# Altium PCB 4_layers_Testboard.PcbDoc (part 1 of 3)
Units mil, origin at the board's own origin, x right, y up, seen from the top; angles counter-clockwise.
Board outline 5500 x 5000 mil, 4 copper layers (Top layer, Inner Layer 1, Inner Layer 2, Bottom Layer), stack 13.956 mil thick; 137 components, 95 nets, 1379 pads, 755 vias.
Unrouted connection lines stored in the file: 363.
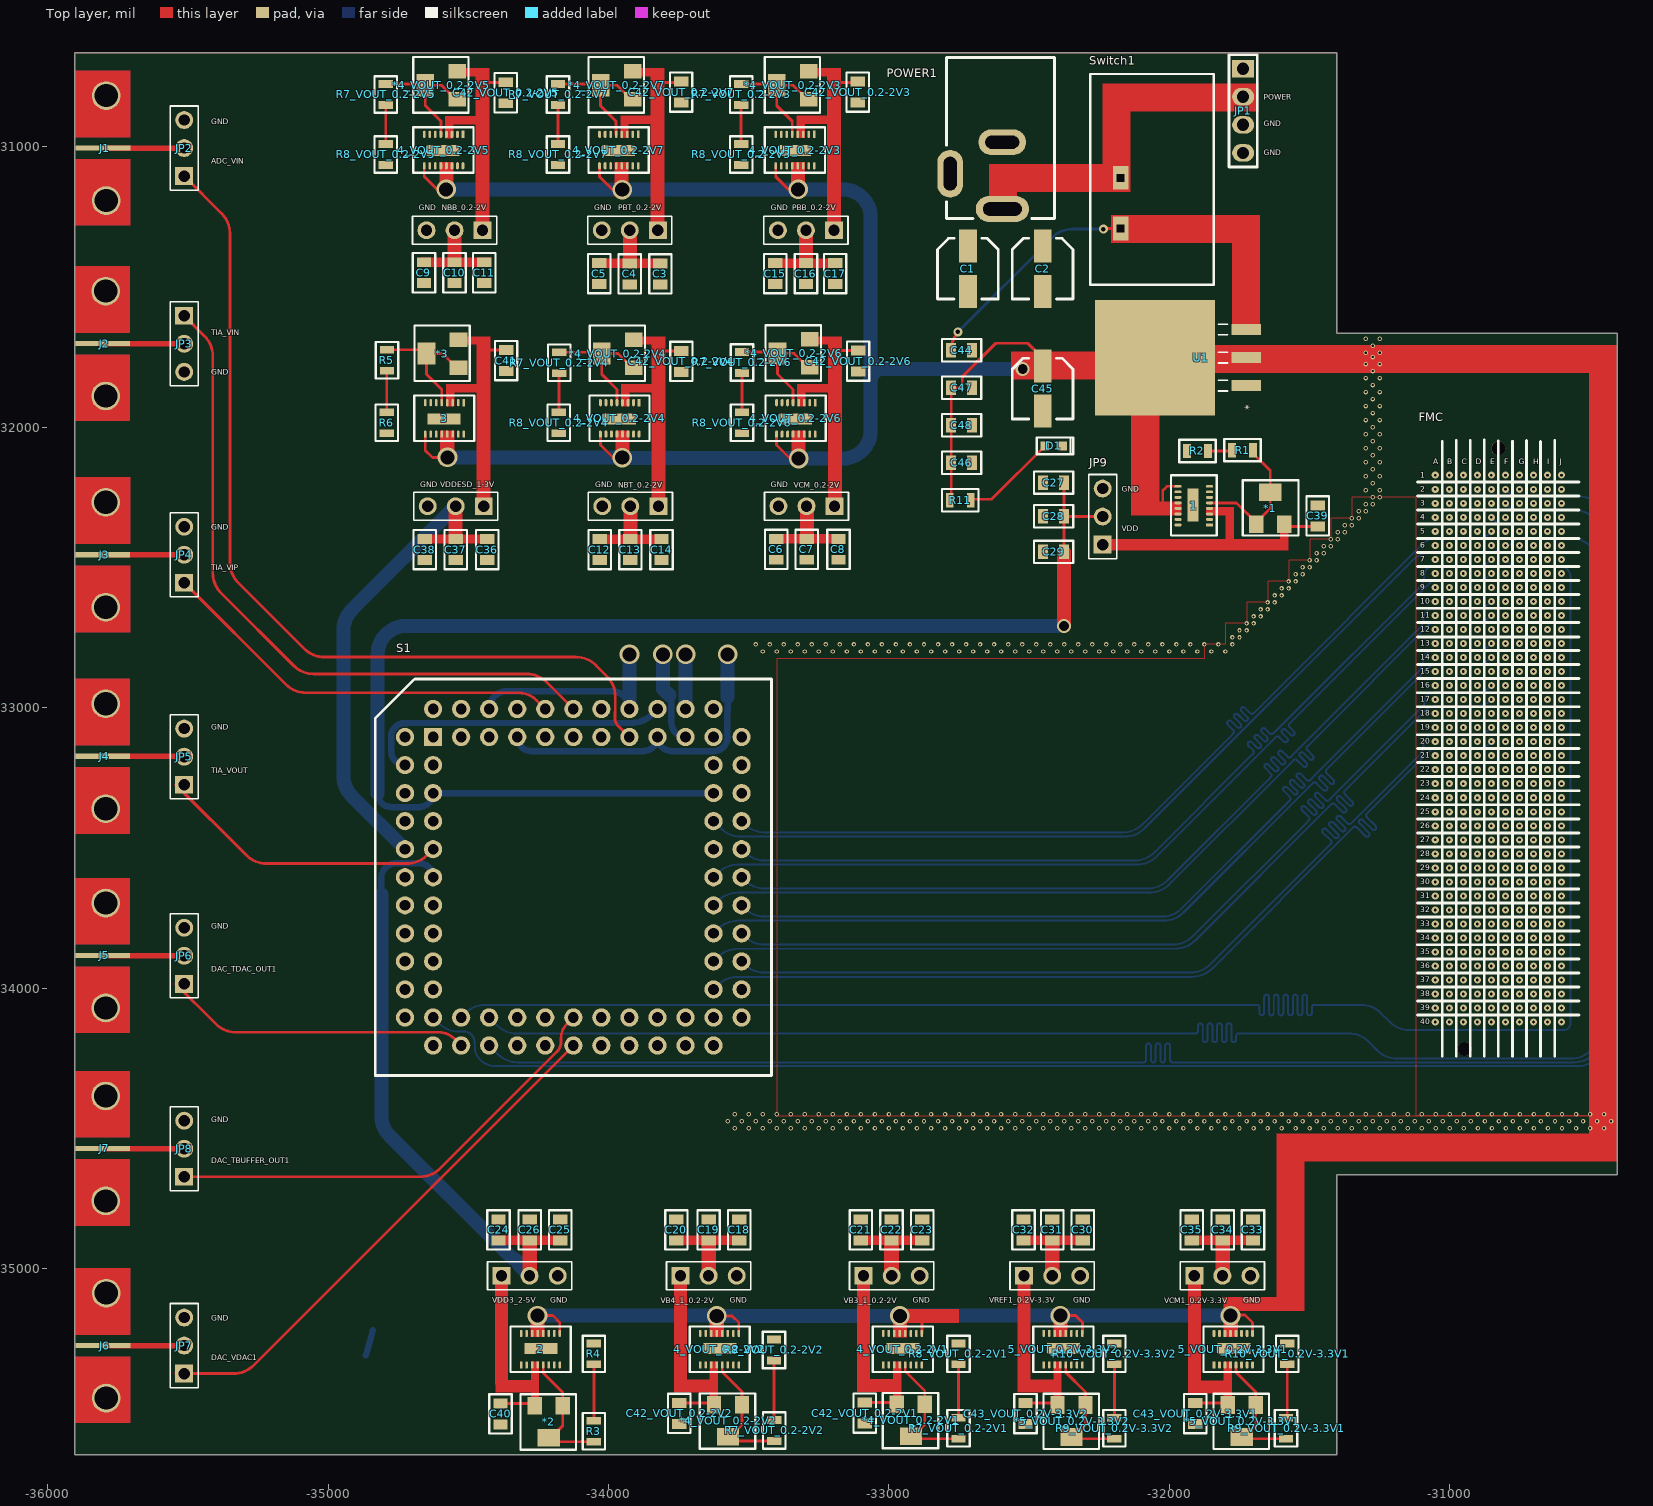
[diagram p0: Top layer view]
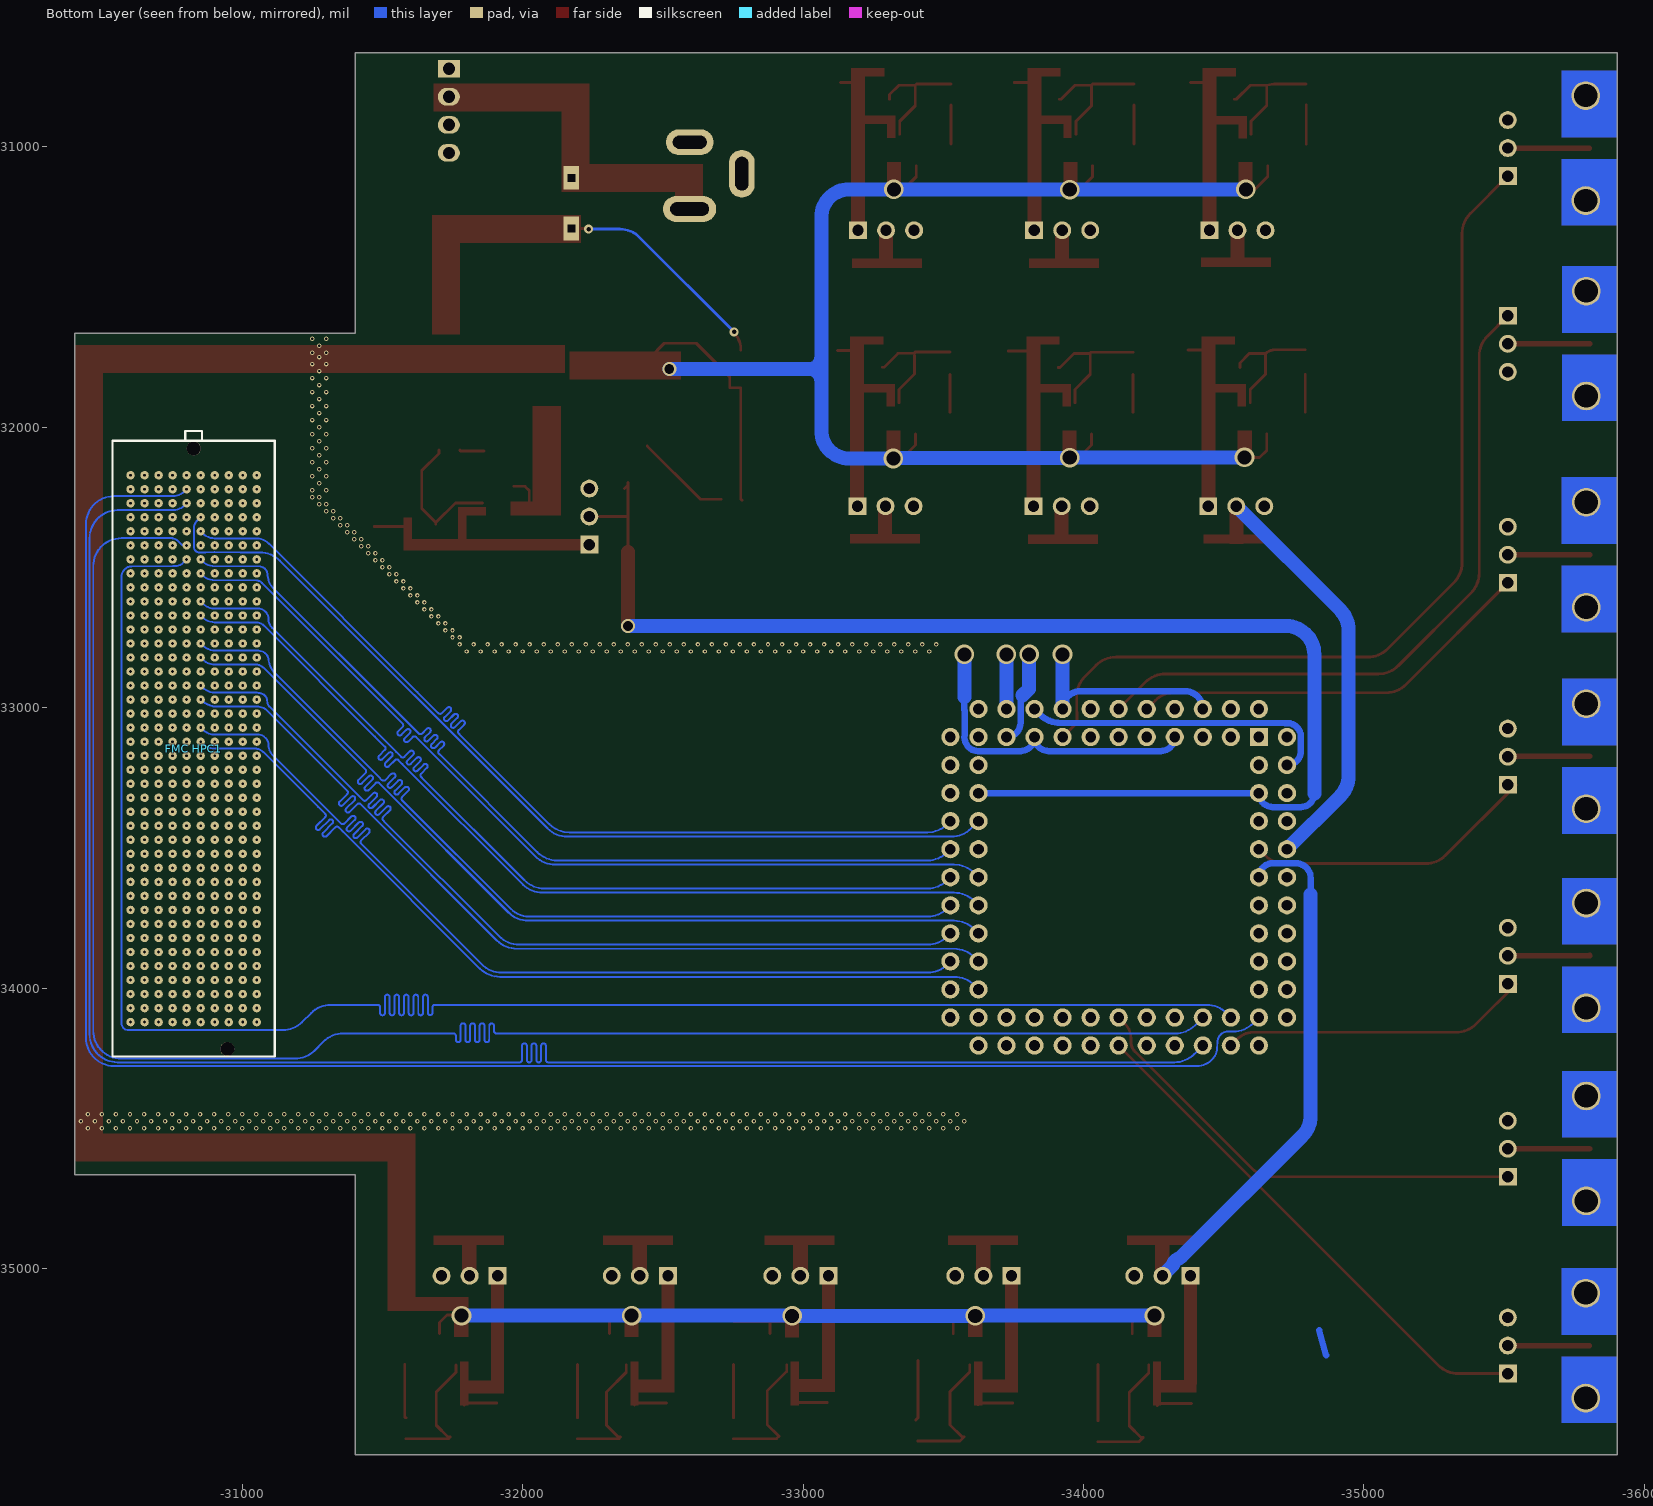
[diagram p1: Bottom Layer view, seen from below]
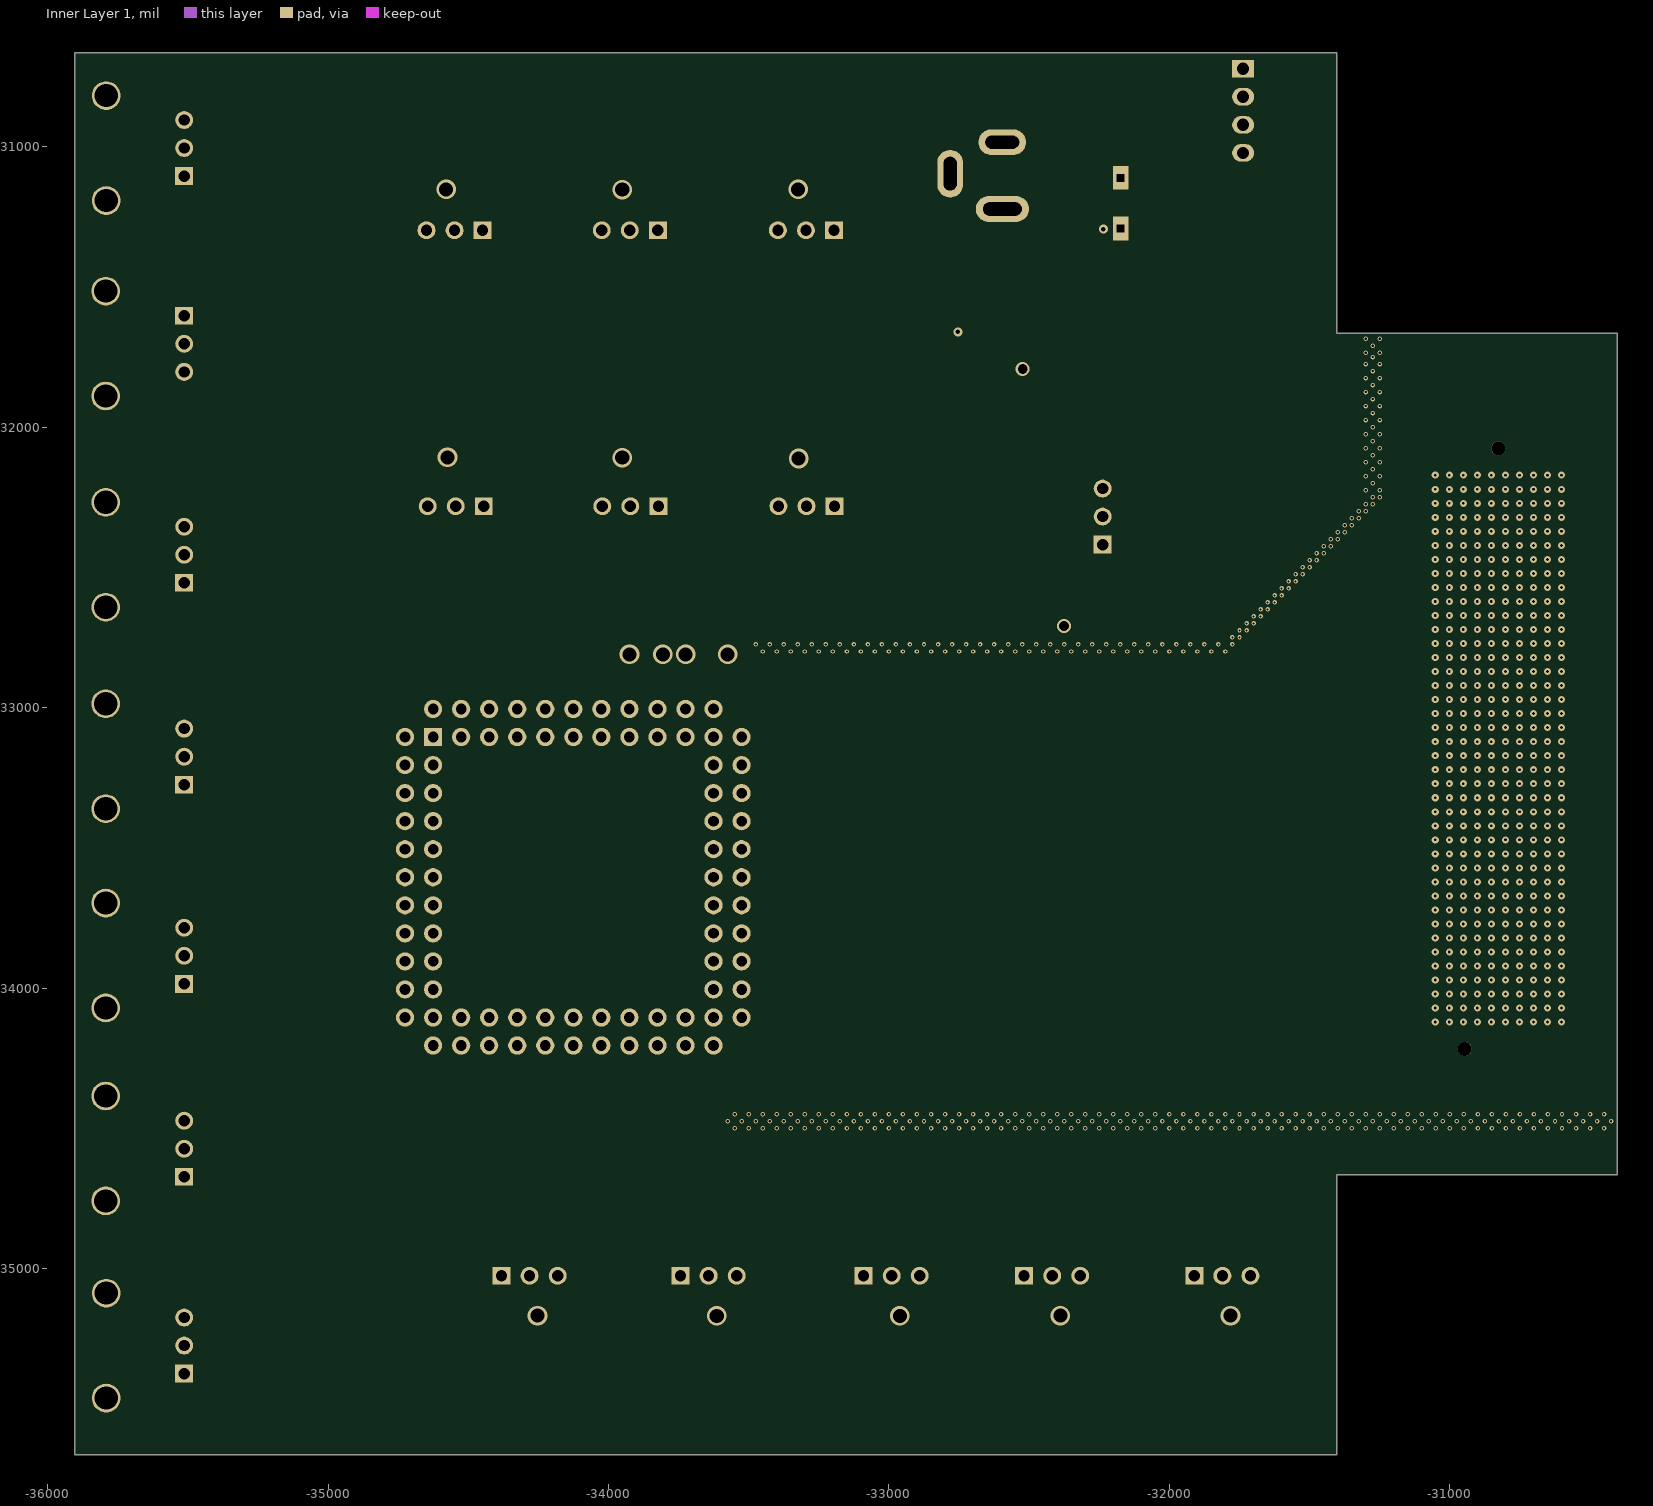
[diagram p2: Inner Layer 1]
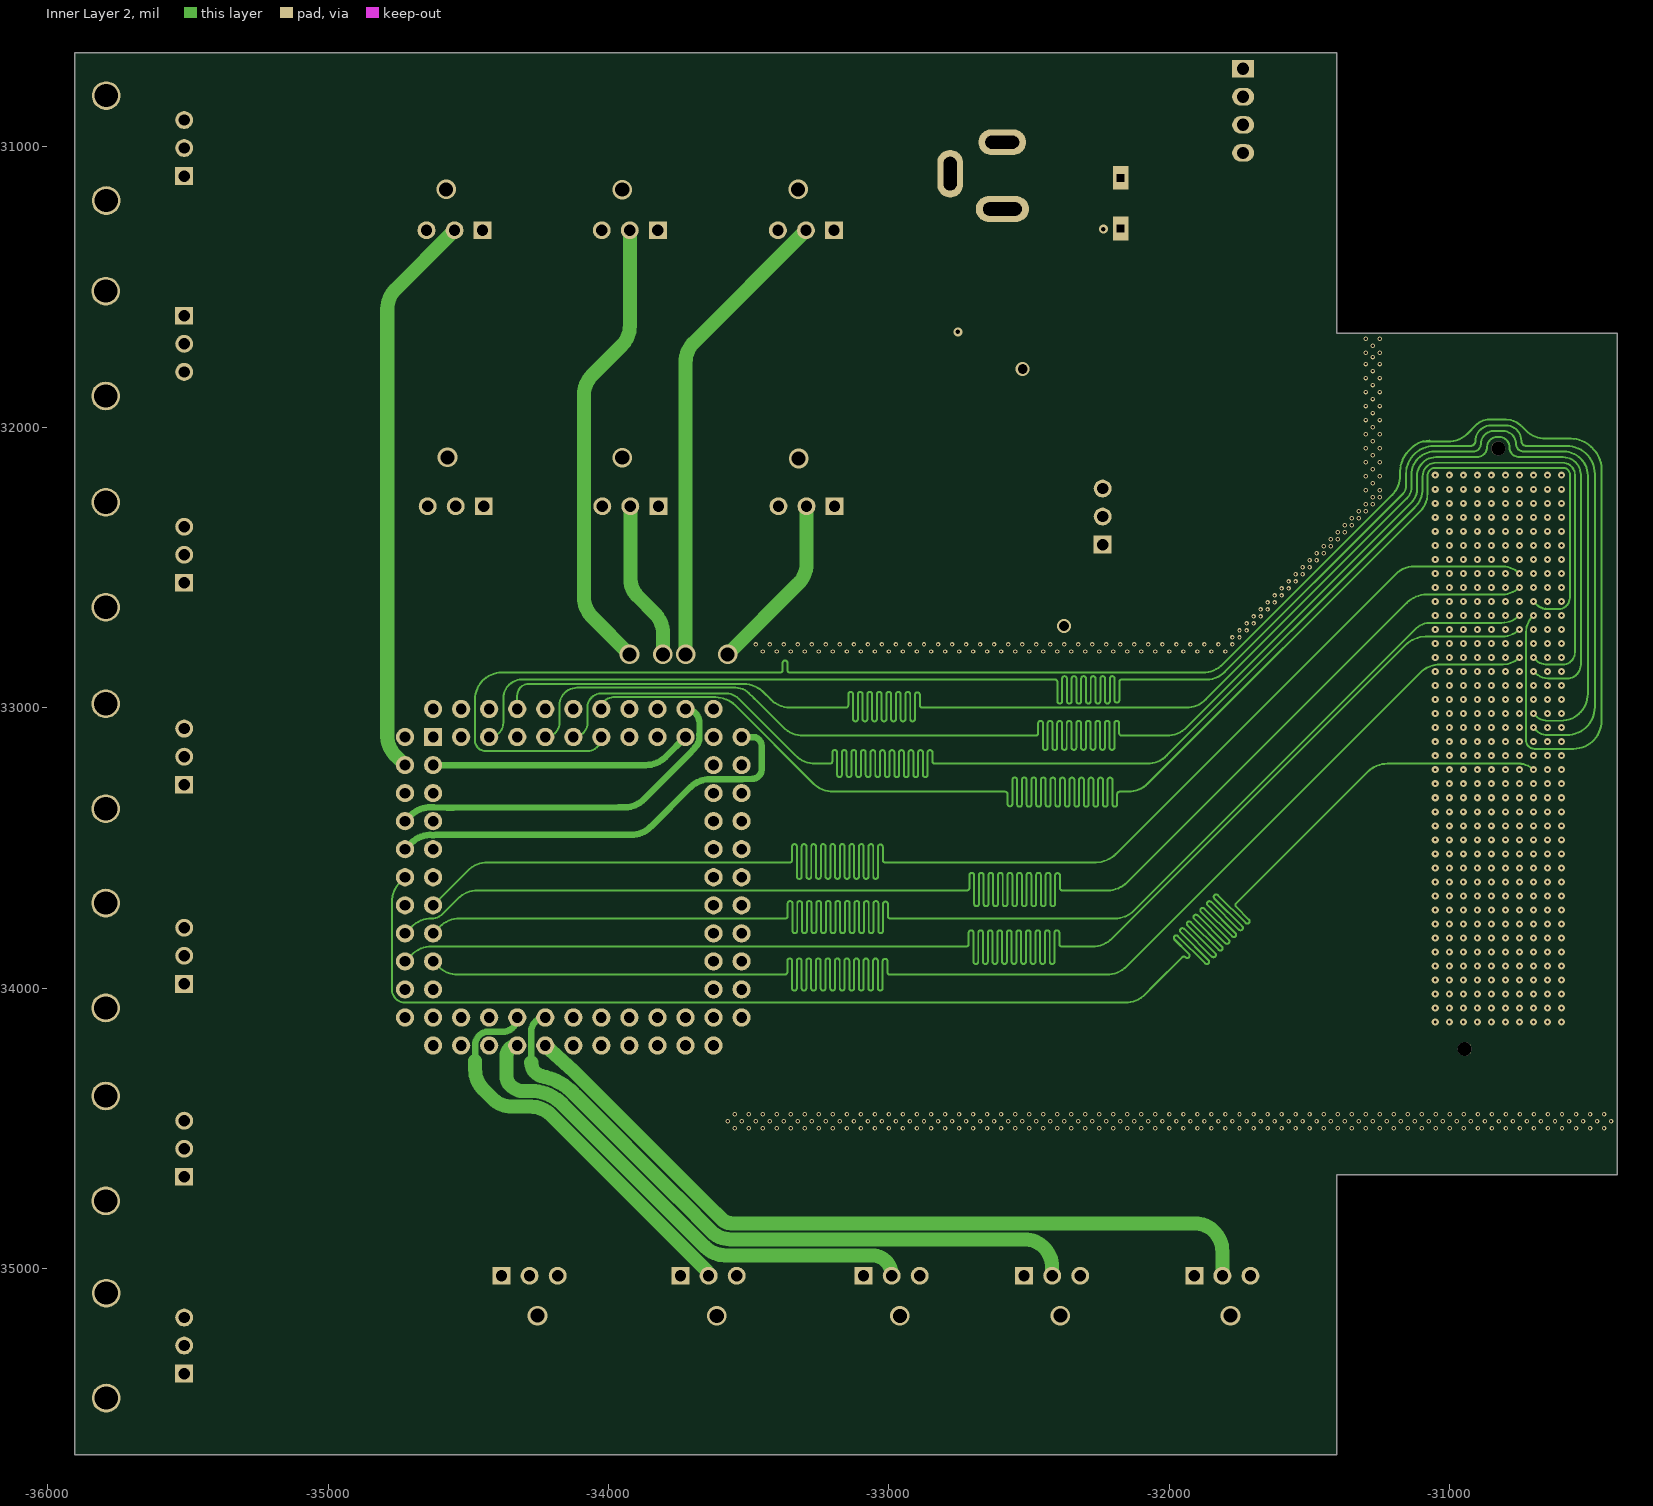
[diagram p3: Inner Layer 2]

## Layer stack, top to bottom
Top Solder: solder mask 0.4, Solder Resist, Dk 3.5
Top layer: signal copper 1.378
Dielectric 2: prepreg 2.8, PP-006, Dk 4.1
Inner Layer 1: signal copper 1.4
Dielectric 1: dielectric 2.8, FR-4, Dk 4.8
Inner Layer 2: signal copper 1.4
Dielectric 3: prepreg 2.8, PP-006, Dk 4.1
Bottom Layer: signal copper 1.378
Bottom Solder: solder mask 0.4, Solder Resist, Dk 3.5

## Board outline
-35903,-35665 -31403,-35665 -31403,-34665 -30403,-34665 -30403,-31665 -31403,-31665 -31403,-30665 -35903,-30665 -35903,-34965 -35903,-35065

## Design rules (kind name [scope] priority, off if disabled: settings)
BoardOutlineClearance [All] p1: gap=0 ignorepadtopadclearanceinfootprint=FALSE
Clearance [All] p1: gap=6 ignorepadtopadclearanceinfootprint=TRUE
ComponentClearance [All] p1: gap=4 collisioncheckmode=3 verticalgap=4 showdistances=FALSE
HoleSize [All] p1: absolutevalues=TRUE maxlimit=250 minlimit=4 maxpercent=80.000 minpercent=20.000
HoleToHoleClearance [All] p1: gap=11 allowstackedmicrovias=TRUE
MatchedLengths MatchedLengths_2 [InNetClass('DAC')] p1: tolerance=10 checknetsindiffpair=FALSE checkdiffpairvsdiffpair=TRUE checkxsignals=TRUE checkothers=TRUE
MatchedLengths MatchedLengths_1 [InNetClass('ADC')] p2: tolerance=10 checknetsindiffpair=FALSE checkdiffpairvsdiffpair=TRUE checkxsignals=TRUE checkothers=TRUE
MatchedLengths [InNetClass('TIA')] p3: tolerance=10 checknetsindiffpair=FALSE checkdiffpairvsdiffpair=TRUE checkxsignals=TRUE checkothers=TRUE
MinimumAnnularRing [All] p1: minimumring=4
MinimumSolderMaskSliver [All] p1: minsoldermaskwidth=3
PlaneClearance [All] p1: clearance=10
PolygonConnect [All] p1: connectstyle=Relief reliefconductorwidth=10 reliefentries=4 polygonreliefangle="90 Angle" airgapwidth=10
RoutingVias [All] p1: holewidth=16 width=32 viastyle="Through Hole" minholewidth=4 minwidth=12 maxholewidth=16 maxwidth=32
SilkToSilkClearance [All] p1: silktosilkclearance=3
SilkToSolderMaskClearance [IsPad] p1: minsilkscreentomaskgap=3 clearancetoexposedcopper=TRUE
SolderMaskExpansion [All] p1: expansion=3 istentingtop=FALSE
Width [All] p1: maxlimit=100 minlimit=3 preferedwidth=7
23 further rules are at their usual default settings.

## Classes and differential pairs
channel class VOUT_0.2-3.3V: VOUT_0.2V-3.3V1 VOUT_0.2V-3.3V2
channel class VOUT_0.2-2V: VOUT_0.2-2V1 VOUT_0.2-2V2 VOUT_0.2-2V3 VOUT_0.2-2V4 VOUT_0.2-2V5 VOUT_0.2-2V6 VOUT_0.2-2V7
net class DAC: DAC_CLK_AZ_IN1 DAC_CLK_DAC_IN1 DAC_CLK_IN1 DAC_DATAIN_IN1 DAC_RST_IN1 DAC_SHIFTOUT1 DAC_SYNC_IN1 DAC_TBUFFER_IN1 DAC_TDAC_IN1
net class ADC: ADC_CLK ADC_CLK_SAMPLE ADC_DOUT1 ADC_DOUT2 ADC_DOUT3 ADC_DOUT4 ADC_DOUT5 ADC_DOUT6 ADC_DOUT7 ADC_DOUT8 ADC_DOUT9 ADC_DOUT10
net class TIA: TIA_CIN0 TIA_CIN1 TIA_CIN2 TIA_CIN3 TIA_CIN4 TIA_CIN5 TIA_CIN6
component class 12V_to_5V: C44 C45 C46 C47 C48 D1 R11 U1

## Components (designator, comment, footprint, x,y, rotation, side; value= is the part's Value field where it differs from the comment)
1 "Part Number: LT3022EDHC#PBF-ND" LT3022 -31856.93,-32348.87 r180 top
2 "Part Number: LT3022EDHC#PBF-ND" LT3022 -34311.41,-35344.05 r90 top
3 "Part Number: LT3022EDHC#PBF-ND" LT3022 -34515.95,-31912.8 r270 top
4_VOUT_0.2-2V1 "Part Number: LT3022EDHC#PBF-ND" LT3022 -33020.43,-35344.05 r90 top (schematic designator 4)
4_VOUT_0.2-2V2 "Part Number: LT3022EDHC#PBF-ND" LT3022 -33673.03,-35344.05 r90 top (schematic designator 4)
4_VOUT_0.2-2V3 "Part Number: LT3022EDHC#PBF-ND" LT3022 -33265.97,-30955.93 r270 top (schematic designator 4)
4_VOUT_0.2-2V4 "Part Number: LT3022EDHC#PBF-ND" LT3022 -33890.97,-31912.8 r270 top (schematic designator 4)
4_VOUT_0.2-2V5 "Part Number: LT3022EDHC#PBF-ND" LT3022 -34518.95,-30955.93 r270 top (schematic designator 4)
4_VOUT_0.2-2V6 "Part Number: LT3022EDHC#PBF-ND" LT3022 -33262.97,-31912.8 r270 top (schematic designator 4)
4_VOUT_0.2-2V7 "Part Number: LT3022EDHC#PBF-ND" LT3022 -33893.97,-30955.93 r270 top (schematic designator 4)
5_VOUT_0.2V-3.3V1 "Part Number: LT3022EDHC#PBF-ND" LT3022 -31841.05,-35344.05 r90 top (schematic designator 5)
5_VOUT_0.2V-3.3V2 "Part Number: LT3022EDHC#PBF-ND" LT3022 -32448.13,-35344.05 r90 top (schematic designator 5)
*1 "Var_RES" res_var_5turn -31690.42,-32346.23 r0 top
*2 "Var_RES" res_var_5turn -34163,-35489 r180 top
*3 "Var_RES" res_var_5turn -34534.91,-31787.87 r90 top
*4_VOUT_0.2-2V1 "Var_RES" res_var_5turn -32872,-35484 r180 top (schematic designator *4)
*4_VOUT_0.2-2V2 "Var_RES" res_var_5turn -33524,-35486 r180 top (schematic designator *4)
*4_VOUT_0.2-2V3 "Var_RES" res_var_5turn -33285.93,-30831 r90 top (schematic designator *4)
*4_VOUT_0.2-2V4 "Var_RES" res_var_5turn -33909.93,-31787.76 r90 top (schematic designator *4)
*4_VOUT_0.2-2V5 "Var_RES" res_var_5turn -34538.91,-30831 r90 top (schematic designator *4)
*4_VOUT_0.2-2V6 "Var_RES" res_var_5turn -33282.93,-31786.76 r90 top (schematic designator *4)
*4_VOUT_0.2-2V7 "Var_RES" res_var_5turn -33913.93,-30831 r90 top (schematic designator *4)
*5_VOUT_0.2V-3.3V1 "Var_RES" res_var_5turn -31692,-35487 r180 top (schematic designator *5)
*5_VOUT_0.2V-3.3V2 "Var_RES" res_var_5turn -32299,-35487 r180 top (schematic designator *5)
C1 "100u /10V" C_ALU_C_SIZE -32718.35,-31435 r270 top
C2 "100u /10V" C_ALU_C_SIZE -32452,-31435 r270 top
C3 "0.1uF" C0805 -33815,-31490.8 r90 top
C4 "1uF" C0805 -33924,-31416 r270 top
C5 "100pF" C0805 -34033.02,-31490 r90 top
C6 "0.1uF" C0805 -33402.01,-32472.94 r90 top
C7 "10uF" C0805 -33293,-32472.94 r90 top
C8 "100pF" C0805 -33179.99,-32472.94 r90 top
C9 "0.1uF" C0805 -34658,-31486.8 r90 top
C10 "1uF" C0805 -34549,-31412 r270 top
C11 "100pF" C0805 -34443,-31486.8 r90 top
C12 "0.1uF" C0805 -34031.02,-32474.13 r90 top
C13 "1uF" C0805 -33922,-32399.13 r270 top
C14 "10uF" C0805 -33811,-32474.13 r90 top
C15 "0.1uF" C0805 -33405.02,-31490 r90 top
C16 "1uF" C0805 -33296,-31415 r270 top
C17 "100pF" C0805 -33192,-31490 r90 top
C18 "0.1uF" C0805 -33533.98,-34825.2 r270 top
C19 "1uF" C0805 -33643,-34899.8 r90 top
C20 "100pF" C0805 -33758,-34825.2 r270 top
C21 "0.1uF" C0805 -33100,-34825.2 r270 top
C22 "1uF" C0805 -32990.69,-34900 r90 top
C23 "100pF" C0805 -32881.38,-34825.2 r270 top
C24 "0.1uF" C0805 -34392,-34825.2 r270 top
C25 "1uF" C0805 -34172.36,-34900 r90 top
C26 "100pF" C0805 -34281,-34825.2 r270 top
C27 "0.1uF" C0805 -32450.46,-32197.87 r0 top
C28 "1uF" C0805 -32375.66,-32317.87 r180 top
C29 "100pF" C0805 -32450.46,-32444.87 r0 top
C30 "0.1uF" C0805 -32309.09,-34825.2 r270 top
C31 "1uF" C0805 -32418,-34900 r90 top
C32 "100pF" C0805 -32520,-34825.2 r270 top
C33 "0.1uF" C0805 -31702,-34825.2 r270 top
C34 "1uF" C0805 -31810,-34900 r90 top
C35 "100pF" C0805 -31920,-34825.2 r270 top
C36 "0.1uF" C0805 -34432,-32474.13 r90 top
C37 "1uF" C0805 -34545,-32399.13 r270 top
C38 "100pF" C0805 -34655,-32474.13 r90 top
C39 "10uF" C0805 -31471,-32278.98 r270 top
C40 "10uF" C0805 -34385,-35556 r90 top
C41 "10uF" C0805 -34365,-31800 r90 top
C42_VOUT_0.2-2V1 "10uF" C0805 -33086,-35553 r90 top (schematic designator C42)
C42_VOUT_0.2-2V2 "10uF" C0805 -33748,-35554 r90 top (schematic designator C42)
C42_VOUT_0.2-2V3 "10uF" C0805 -33111,-30843 r90 top (schematic designator C42)
C42_VOUT_0.2-2V4 "10uF" C0805 -33740,-31802.8 r90 top (schematic designator C42)
C42_VOUT_0.2-2V5 "10uF" C0805 -34366,-30845 r90 top (schematic designator C42)
C42_VOUT_0.2-2V6 "10uF" C0805 -33110,-31801.8 r90 top (schematic designator C42)
C42_VOUT_0.2-2V7 "10uF" C0805 -33741,-30842.8 r90 top (schematic designator C42)
C43_VOUT_0.2V-3.3V1 "10uF" C0805 -31908,-35554.8 r90 top (schematic designator C43)
C43_VOUT_0.2V-3.3V2 "10uF" C0805 -32513,-35554.8 r90 top (schematic designator C43)
C44 "10uF RF" C0805 -32778.09,-31726 r0 top
C45 "100u /10V" C_ALU_C_SIZE -32452,-31862.29 r270 top
C46 "10nF RF" C0805 -32778.09,-32127.25 r0 top
C47 "100nF RF" C0805 -32778.09,-31859.75 r0 top
C48 "10uF RF" C0805 -32778.09,-31993.5 r0 top
D1 "Green" LED_0603 -32381.17,-32067 r180 top
"FMC HPC1" "FMC_HPC" FMC_HPC -30947.08,-34217.02 r90 bottom
J1 "SMA-32K243-40ML5" ROS-32K243-40ML5_V -35901.43,-31005 r90 top
J2 "SMA-32K243-40ML5" ROS-32K243-40ML5_V -35903.24,-31702.01 r90 top
J3 "SMA-32K243-40ML5" ROS-32K243-40ML5_V -35903,-32455 r90 top
J4 "SMA-32K243-40ML5" ROS-32K243-40ML5_V -35903.24,-33173.5 r90 top
J5 "SMA-32K243-40ML5" ROS-32K243-40ML5_V -35903.24,-33884 r90 top
J6 "SMA-32K243-40ML5" ROS-32K243-40ML5_V -35901.42,-35275 r90 top
J7 "SMA-32K243-40ML5" ROS-32K243-40ML5_V -35903.24,-34572.01 r90 top
JP1 "HDR 1x4" Hdr_1x4_2.54mm -31737,-30722 r0 top
JP2 "Jumper" 01x03_0.1in_th_straight_b_nom -35513,-31005 r90 top
JP3 "Jumper" 01x03_0.1in_th_straight_b_nom -35513,-31703 r270 top
JP4 "Jumper" 01x03_0.1in_th_straight_b_nom -35513,-32455 r90 top
JP5 "Jumper" 01x03_0.1in_th_straight_b_nom -35513,-33175 r90 top
JP6 "Jumper" 01x03_0.1in_th_straight_b_nom -35513,-33885 r90 top
JP7 "Jumper" 01x03_0.1in_th_straight_b_nom -35513,-35275 r90 top
JP8 "Jumper" 01x03_0.1in_th_straight_b_nom -35513,-34573 r90 top
JP9 "Jumper" 01x03_0.1in_th_straight_b_nom -32238,-32319 r90 top
NBB_0.2-2V "Jumper" 01x03_0.1in_th_straight_b_nom -34548.98,-31298 r180 top (schematic designator JP12)
NBT_0.2-2V "Jumper" 01x03_0.1in_th_straight_b_nom -33922,-32282 r180 top (schematic designator JP12)
PBB_0.2-2V "Jumper" 01x03_0.1in_th_straight_b_nom -33296,-31298 r180 top (schematic designator JP12)
PBT_0.2-2V "Jumper" 01x03_0.1in_th_straight_b_nom -33924,-31298 r180 top (schematic designator JP12)
POWER1 "PWR-2.1MM" POWER2.1MM -32595.45,-31222.19 r90 top
R1 "100" R0805 -31776.46,-32081.87 r0 top
R2 "100" R0805 -31937.27,-32084.87 r0 top
R3 "100" R0805 -34052,-35543 r270 top
R4 "100" R0805 -34052,-35267.2 r270 top
R5 "100" R0805 -34790,-31798.8 r90 top
R6 "100" R0805 -34791,-32022.05 r90 top
R7_VOUT_0.2-2V1 "100" R0805 -32752,-35532.03 r270 top (schematic designator R7)
R7_VOUT_0.2-2V2 "100" R0805 -33409,-35540.2 r270 top (schematic designator R7)
R7_VOUT_0.2-2V3 "100" R0805 -33527,-30851.04 r90 top (schematic designator R7)
R7_VOUT_0.2-2V4 "100" R0805 -34176,-31807.8 r90 top (schematic designator R7)
R7_VOUT_0.2-2V5 "100" R0805 -34794,-30851.04 r90 top (schematic designator R7)
R7_VOUT_0.2-2V6 "100" R0805 -33524,-31806.8 r90 top (schematic designator R7)
R7_VOUT_0.2-2V7 "100" R0805 -34180,-30851.04 r90 top (schematic designator R7)
R8_VOUT_0.2-2V1 "100" R0805 -32752,-35267.2 r270 top (schematic designator R8)
R8_VOUT_0.2-2V2 "100" R0805 -33410,-35253.2 r270 top (schematic designator R8)
R8_VOUT_0.2-2V3 "100" R0805 -33527,-31065.18 r90 top (schematic designator R8)
R8_VOUT_0.2-2V4 "100" R0805 -34177,-32022.05 r90 top (schematic designator R8)
R8_VOUT_0.2-2V5 "100" R0805 -34794,-31065.18 r90 top (schematic designator R8)
R8_VOUT_0.2-2V6 "100" R0805 -33524,-32022.05 r90 top (schematic designator R8)
R8_VOUT_0.2-2V7 "100" R0805 -34180,-31065.18 r90 top (schematic designator R8)
R9_VOUT_0.2V-3.3V1 "100" R0805 -31584,-35532.03 r270 top (schematic designator R9)
R9_VOUT_0.2V-3.3V2 "100" R0805 -32196,-35532.03 r270 top (schematic designator R9)
R10_VOUT_0.2V-3.3V1 "100" R0805 -31580,-35267.2 r270 top (schematic designator R10)
R10_VOUT_0.2V-3.3V2 "100" R0805 -32196,-35267.2 r270 top (schematic designator R10)
R11 "2k" R0805 -32708.28,-32261 r180 top
S1 "CONN SOCKET PLCC 20POS TIN" SERIES940_Socket -34625.44,-33105 r0 top
Switch1 "SW-SPST" SPST-2 -32174,-31111 r270 top
U1 "Part Number: LM1085IS-5.0/NOPB" LM1085 -32052,-31752 r90 top value=Value
VB3_1_0.2-2V "Jumper" 01x03_0.1in_th_straight_b_nom -32990.39,-35026 r0 top (schematic designator JP12)
VB4_1_0.2-2V "Jumper" 01x03_0.1in_th_straight_b_nom -33643,-35026 r0 top (schematic designator JP12)
VCM1_0.2V-3.3V "Jumper" 01x03_0.1in_th_straight_b_nom -31811.02,-35026 r0 top (schematic designator JP13)
VCM_0.2-2V "Jumper" 01x03_0.1in_th_straight_b_nom -33294,-32282 r180 top (schematic designator JP12)
VDD3_2-5V "Jumper" 01x03_0.1in_th_straight_b_nom -34281.38,-35026 r0 top (schematic designator JP10)
VDDESD_1-3V "Jumper" 01x03_0.1in_th_straight_b_nom -34544.95,-32282 r180 top (schematic designator JP11)
VREF1_0.2V-3.3V "Jumper" 01x03_0.1in_th_straight_b_nom -32418.1,-35026 r0 top (schematic designator JP13)
